# Altium PCB LimeSDR-Micro_M.2_2280_1v0.PcbDoc (part 4 of 7) (continued)
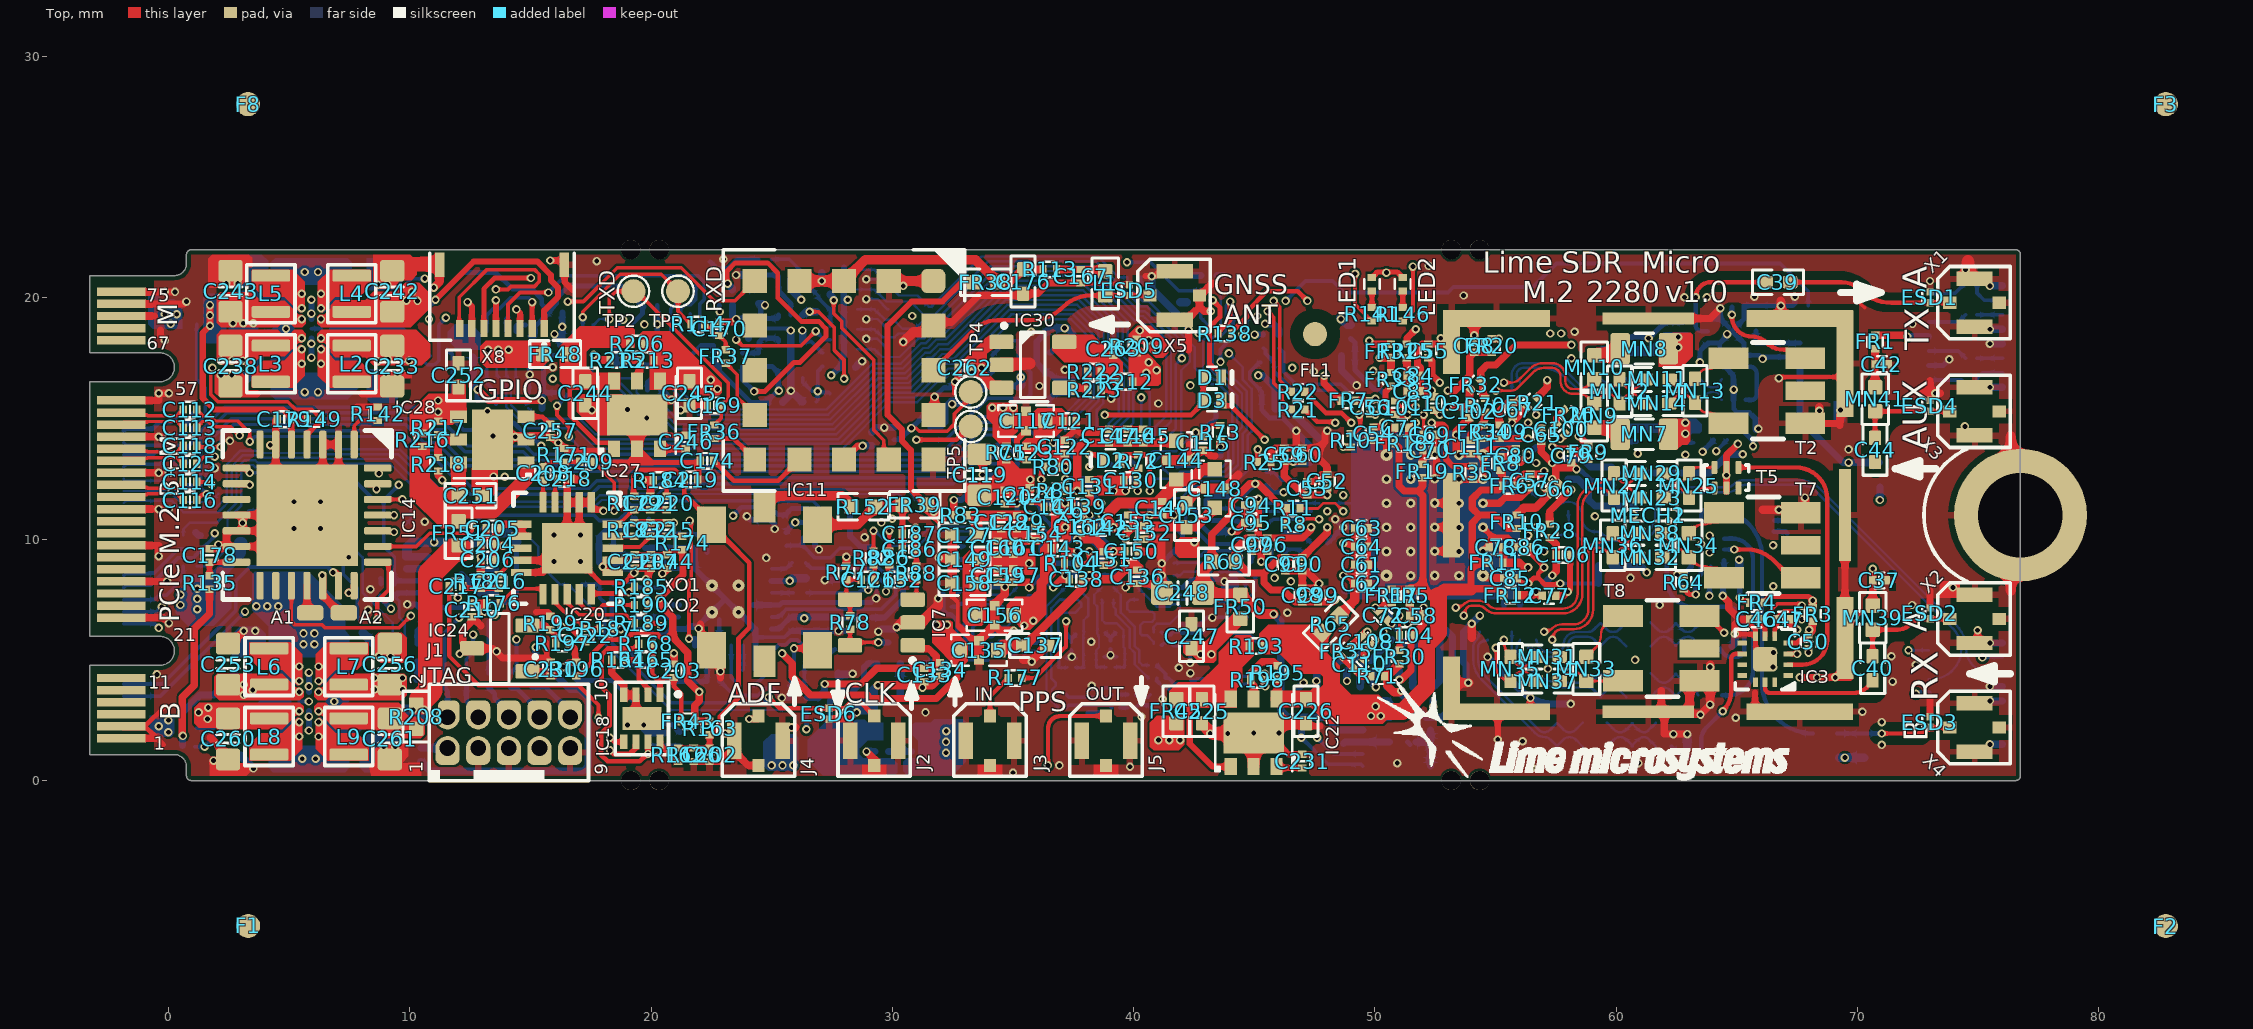
[diagram p0: Top view]
## Nets (pads, with @x,y where several pads share a name; then routed paths per layer and width w, separated by ;. In a path a pad name is that pad's centre, name@x,y a point inside that pad or via, vN(x,y) a via of type N, cw(c..) or ccw(c..) an arc to the next point about the centre after c; other vN are vias at no path point) (continued)
  Bottom w0.1: R28.1@33.541,6.9 33.573,6.9 33.598,6.925 33.598,6.958 33.741,7.1 34.32,7.1 34.391,7.029 34.391,6.837 34.216,6.662 34.216,6.475 34.316,6.375 34.756,6.375 34.931,6.55 35.116,6.55 35.316,6.75 35.316,6.866 35.473,7.023 35.664,7.023 35.783,7.142 35.783,7.333 35.946,7.496 36.163,7.496 IC6.A4@36.167,7.5
LA_RX0_I_P: IC6.B4 R34.1 | length 4.4
  Bottom w0.1: R34.1@32.991,6.9 33.14,6.9 33.54,7.3 34.491,7.3 34.591,7.2 34.591,6.858 34.699,6.75 34.917,6.75 35.467,7.3 35.467,7.501 35.641,7.675 35.842,7.675 IC6.B4@36.167,8
LA_RX0_Q_N: IC6.B6 R37.1 | length 5.5
  Bottom w0.1: R37.1@36.876,3.015 36.391,3.5 36.391,7.224 IC6.B6@37.167,8
LA_RX0_Q_P: IC6.A6 R42.1 | length 4.7
  Bottom w0.1: R42.1@36.876,3.565 36.676,3.565 36.616,3.625 36.616,3.775 36.766,3.925 36.766,4.06 36.591,4.235 36.591,7.141 36.946,7.496 37.163,7.496 IC6.A6@37.167,7.5
LA_RX1_I_N: IC6.B10 R44.1 | length 4
  Bottom w0.1: IC6.B10@39.167,8 39.466,7.701 39.466,7.625 39.467,7.624 39.467,7.376 39.466,7.375 39.466,6.958 40.041,6.383 40.041,5.583 40.241,5.383 40.241,4.903 40.359,4.785 R44.1@40.626,4.785
LA_RX1_I_P: IC6.A10 R49.1 | length 3.9
  Bottom w0.1: IC6.A10@39.167,7.5 39.167,7.199 39.266,7.1 39.266,6.875 39.841,6.3 39.841,5.5 40.041,5.3 40.041,4.82 R49.1@40.626,4.235
LA_RX1_Q_N: IC6.A12 R51.1 | length 4
  Bottom w0.1: IC6.A12@40.167,7.5 39.866,7.5 39.741,7.375 39.741,7.1 39.841,7 40.766,7 40.866,6.9 40.866,6.683 40.754,6.571 40.412,6.571 40.266,6.425 40.266,6.1 40.341,6.025 40.55,6.025 40.826,5.75 R51.1@40.826,5.675
LA_RX1_Q_P: IC6.B12 R58.1 | length 4
  Bottom w0.1: IC6.B12@40.167,8 40.467,7.7 ; 40.467,7.699 40.966,7.2 41.491,7.2 41.591,7.3 41.841,7.3 41.916,7.225 41.916,6.91 41.506,6.5 40.966,6.5 40.826,6.36 R58.1@40.826,6.15
LA_SPI_ADF_SS: IC12.12 R190.2 | length 55.3
  Top w0.25: v1(19.8,7.55) 19.8,7.523 19.855,7.468 19.855,7.3 R190.2@19.88,7.275
  L3 w0.1: v1@18.85,19.125 19,19.275 21.3,19.275 22.275,20.25 23.4,20.25 24.25,21.1 29.175,21.1 29.675,20.6 29.675,19.658 30.608,18.725 31.075,18.725 32.45,20.1 40.775,20.1 41.475,19.4 41.475,16.675 41.125,16.325 39.075,16.325 37.1,14.35 36.557,14.35 31.957,9.75 27.7,9.75 26.85,8.9 22.075,8.9 21.175,8 20.25,8 v1(19.8,7.55)
  Bottom w0.15: IC12.12@18,18.725 18.45,18.725 v1@18.85,19.125
  other v1: 18.85,19.1
LA_SPI_ADF_SS_LS: IC6.P11 IC12.1 R115.2 | length 30.6
  Bottom w0.1: IC12.1@17.975,16.775 18.08,16.67 R115.2@19.4,16.67 19.4,16.083 19.733,15.75 20.316,15.75 21.104,14.962 27.428,14.962 29.341,16.875 30.514,16.875 31.364,17.725 31.556,17.725 31.906,18.075 32.281,18.075 34.521,20.315 37.906,20.315 39.35,18.871 39.35,17.509 39.791,17.069 39.791,15.048 39.367,14.624 39.367,14.3 IC6.P11@39.667,14
LA_SPI_LMS_SS: IC12.9 R23.2 | length 34.4
  L6 w0.1: v2(16.85,18.025) 17.71,18.025 17.81,17.925 23.126,17.925 23.426,17.625 28.05,17.625 28.4,17.975 29.075,17.975 29.488,18.387 29.488,19.262 30.4,20.175 30.725,20.175 31.112,20.562 32.223,20.562 32.936,19.85 35.308,19.85 36.033,19.125 36.393,18.764 36.393,18.464 36.858,18 37.567,18 38.792,19.225 41.233,19.225 42.333,18.125 42.767,18.125 43.667,19.025 44.89,19.025 44.99,18.925 v1(45.45,18.925)
  Bottom w0.15: v2@16.775,18.154 IC12.9@16.775,18.6
  Bottom w0.3: v1(45.45,18.925) 45.775,18.925 46.016,18.684 R23.2@46.016,18.48
LA_SPI_LMS_SS_LS: IC6.P7 IC12.4 R116.2 | length 32.3
  Top w0.15: v1(16.105,15.53) 16.105,15.145 16.605,14.645 16.605,14.255 v1(16.6,14.25)
  Bottom w0.1: v1(16.6,14.25) 17.1,13.75 27.93,13.75 29.855,15.675 31.028,15.675 31.878,16.525 32.053,16.525 32.403,16.875 32.778,16.875 35.018,19.115 37.409,19.115 38.141,18.383 38.141,16.944 38.141,15.891 37.491,15.241 37.491,14.176 IC6.P7@37.667,14 ; R116.2@16.605,16.075 16.605,16.1 16.705,16.2 16.716,16.2 16.775,16.259 IC12.4@16.775,17.05
  Bottom w0.15: v1(16.105,15.53) 16.605,16.03 R116.2@16.605,16.075
LA_SPI_MISO: IC8.11 R22.2 | length 41.1
  Top w0.15: v1(45.8,19.875) 46.05,19.625 46.05,16.592 R22.2@46.536,16.107
  L6 w0.1: v2(14.075,19.2) 15.983,19.2 16.108,19.325 16.542,19.325 17.392,18.475 17.95,18.475 18.1,18.325 22.925,18.325 23.2,18.6 23.817,18.6 24.392,18.025 27.35,18.025 28.775,19.45 28.936,19.45 29.825,20.339 29.825,20.65 30.2,21.025 32.326,21.025 33.101,20.25 35.483,20.25 36.8,18.933 36.8,18.624 37.017,18.407 37.408,18.407 38.633,19.632 41.593,19.632 41.747,19.478 42.203,19.478 43.125,20.4 45.275,20.4 v1(45.8,19.875)
  Bottom w0.2: IC8.11@14,18.6 14,19.125 v2(14.075,19.2)
LA_SPI_MISO_LS: IC6.R8 IC8.2 | length 33.3
  Bottom w0.1: IC8.2@14,17.05 14,16.775 14.2,16.575 14.2,15.567 14.967,14.8 16.958,14.8 17.608,14.15 27.764,14.15 29.689,16.075 30.863,16.075 31.713,16.925 31.887,16.925 32.237,17.275 32.612,17.275 34.852,19.515 37.575,19.515 38.541,18.549 38.541,17.11 38.541,15.725 38.167,15.351 IC6.R8@38.167,14.5
LA_SPI_MOSI: IC8.12 R21.2 R189.2 | length 73.3
  Top w0.15: v1(45.55,19.45) 45.8,19.2 45.8,16.489 46.15,16.139 46.15,15.761 R21.2@46.536,15.375
  Top w0.2: R189.2@19.88,6.525 20.3,6.525 v1(20.425,6.4)
  L4 w0.1: v1(42.35,16.375) 42.7,16.725 v1(42.7,18.525)
  L6 w0.1: v2(14.8,18.875) 15.94,18.875 16.19,19.125 16.46,19.125 17.31,18.275 17.867,18.275 18.017,18.125 23.209,18.125 23.509,17.825 27.9,17.825 28.75,18.675 29.075,18.675 29.275,18.875 29.275,19.506 30.025,20.256 30.025,20.567 30.283,20.825 32.244,20.825 33.019,20.05 35.4,20.05 36.6,18.85 36.6,18.541 36.934,18.207 37.491,18.207 38.716,19.432 41.511,19.432 41.817,19.125 42.475,19.125 42.7,18.9 ; v1(20.425,6.4) 20.7,6.4 21.9,7.6 21.9,8.15 22.4,8.65 24.725,8.65 25.175,9.1 27.025,9.1 27.525,9.6 29.95,9.6 30.55,10.2 30.55,10.975 30.2,11.325 30.2,12.575 33.95,16.325 35.615,16.325 35.965,16.675 36.367,16.675 36.742,16.3 37.516,16.3 37.691,16.475 39.25,16.475 40.175,15.55 40.451,15.55 40.989,16.088 42.063,16.088 v1(42.35,16.375) ; v1(42.7,18.525) 42.7,18.9 ; v1(45.55,19.45) 45.375,19.625 45,19.625 44.6,19.225 43.5,19.225 43.175,18.9 42.7,18.9
  Bottom w0.2: IC8.12@14.4,18.6 14.4,18.825 14.45,18.875 v2(14.8,18.875)
LA_SPI_MOSI_LS: IC6.R9 IC8.1 R123.2 R132.1 | length 33.2
  Bottom w0.1: IC8.1@14.4,17.1 14.4,16.033 R123.2@14.85,15.583 ; R123.2@14.92,15.425 15.345,15 17.041,15 17.691,14.35 27.681,14.35 29.606,16.275 30.78,16.275 31.63,17.125 31.804,17.125 32.154,17.475 32.529,17.475 34.769,19.715 37.658,19.715 38.75,18.623 38.75,17.2 39.066,16.884 R132.1@39.066,16.605 39.041,16.605 38.941,16.505 38.941,16.48 38.741,16.28 38.741,15.625 38.475,15.359 38.475,14.692 IC6.R9@38.667,14.5
LA_SPI_SCLK: IC8.10 R20.2 R187.2 | length 62.3
  Top w0.3: R187.2@18.45,6.3 R187.2@18.45,6.325 ; R187.2@18.5,6.275 v1@18.736,6.275
  L6 w0.1: v2(13.6,19.2) 13.925,18.875 14.34,18.875 15.075,18.14 15.075,17.41 13.89,16.225 13.408,16.225 12.7,15.517 12.7,14.74 10.635,12.675 9.425,12.675 9.15,12.4 9.15,11.267 8.975,11.092 8.975,9.715 9.19,9.5 9.89,9.5 11.675,7.715 11.675,6.6 11.85,6.425 12.792,6.425 12.867,6.35 13.825,6.35 14.175,6.7 16.475,6.7 16.9,6.275 v1(18.75,6.275) ; 15.075,18.15 16.265,18.15 17.09,17.325 17.859,17.325 18.259,17.725 23.044,17.725 23.344,17.425 28.287,17.425 28.637,17.775 29.158,17.775 29.687,18.305 29.687,19.18 30.483,19.975 30.808,19.975 31.195,20.362 32.14,20.362 32.853,19.65 35.225,19.65 36.193,18.682 36.193,18.382 36.775,17.8 37.65,17.8 38.875,19.025 41.15,19.025 42.25,17.925 42.85,17.925 43.75,18.825 44.667,18.825 v1(45.012,18.48) ; v1@45.064,18.528 v1@45.112,18.48
  Bottom w0.2: IC8.10@13.6,18.6 v2(13.6,19.2)
  Bottom w0.25: v1(45.012,18.48) R20.2@45.366,18.48
LA_SPI_SCLK_LS: IC6.P8 IC8.3 | length 34.2
  Bottom w0.1: IC8.3@13.6,17.05 13.6,16.8 14,16.4 14,15.485 14.885,14.6 16.875,14.6 17.525,13.95 27.847,13.95 29.772,15.875 30.946,15.875 31.796,16.725 31.97,16.725 32.32,17.075 32.695,17.075 34.935,19.315 37.492,19.315 38.341,18.466 38.341,17.027 38.341,15.808 37.691,15.158 37.691,14.476 IC6.P8@38.167,14
LA_TCK: IC6.N10 R89.2 R92.1 | length 49.1
  L6 w0.1: v2(12.12,15.43) 12.12,15.112 11.483,14.475 10.942,14.475 8.95,12.483 8.95,11.35 8.775,11.175 8.775,9.633 9.108,9.3 9.783,9.3 11.475,7.608 11.475,6.517 11.942,6.05 v1(12.625,6.05) 13.9,6.05 14.15,6.3 15.775,6.3 16.025,6.05 18.425,6.05 18.8,5.675 20.86,5.675 21.86,6.675 22.259,6.675 22.534,6.4 26.6,6.4 28.675,8.475 33.017,8.475 33.675,9.133 33.675,12.133 34.4,12.858 34.4,13.425 34.6,13.625 34.6,13.875 35.021,14.296 35.539,14.296 35.767,14.525 36.884,14.525 37.384,14.025 38.642,14.025 v2(39.167,13.5)
  Bottom w0.15: R92.1@12.35,4.43 12.35,5.025 12.625,5.3 v1(12.625,6.05)
  Bottom w0.2: v2(12.12,15.43) 12.12,15.65 R89.2@12.27,15.8
LA_TDI: IC6.M10 R94.1 | length 33.5
  L6 w0.1: v1(14.425,5.85) 14.675,6.1 15.692,6.1 15.942,5.85 18.342,5.85 18.717,5.475 20.192,5.475 20.717,4.95 21.2,4.95 22.45,6.2 26.683,6.2 28.758,8.275 33.1,8.275 33.875,9.05 33.875,12.05 34.6,12.775 34.6,13.325 34.842,13.567 34.842,13.817 35.121,14.096 35.621,14.096 35.85,14.325 36.801,14.325 37.301,13.825 38.342,13.825 v2(38.667,13.5)
  Bottom w0.15: R94.1@14.15,4.43 14.425,4.705 v1(14.425,5.85) ; v2(38.667,13.5) IC6.M10@39.167,13
LA_TDO: IC6.N12 R93.1 | length 36.7
  L6 w0.1: v1(13.525,6.875) 13.8,7.15 16.591,7.15 16.941,6.8 19.083,6.8 19.808,6.075 20.675,6.075 22.175,7.575 24.042,7.575 25.342,8.875 32.851,8.875 33.275,9.299 33.275,10.683 33.125,10.833 33.125,13.525 34.3,14.7 35.341,14.7 35.566,14.925 37.05,14.925 37.55,14.425 39.242,14.425 v2(40.167,13.5)
  Bottom w0.15: R93.1@13.25,4.43 13.25,6.6 v1(13.525,6.875)
LA_TMS: IC6.M12 R91.1 | length 38.4
  L6 w0.1: v1(12.05,6.75) 12.75,6.75 12.95,6.55 13.742,6.55 14.102,6.91 16.548,6.91 16.858,6.6 19,6.6 19.725,5.875 20.758,5.875 22.258,7.375 24.125,7.375 25.425,8.675 32.934,8.675 33.475,9.216 33.475,10.766 33.325,10.916 33.325,13.442 34.383,14.5 35.424,14.5 35.649,14.725 36.967,14.725 37.467,14.225 38.901,14.225 39.626,13.5 v2(39.667,13.5)
  Bottom w0.15: R91.1@11.45,4.43 11.45,6.15 v1(12.05,6.75) ; v2(39.667,13.5) IC6.M12@40.167,13
LA_TRST: C115.1 D2.C IC6.N8 R73.2 | length 6.6
  Top w0.2: v1(38.167,13.5) 38.575,13.5 38.675,13.4 D2.C@38.675,13.275 ; v1(42.575,14.425) 42.975,14.425 43.265,14.715 R73.2@43.596,14.715
  L4 w0.15: v1(38.167,13.5) 41.65,13.5 v1(42.575,14.425)
LA_TRX0: IC8.9 X8.2 | length 4.1
  Top w0.2: X8.2@15.075,18.725 15.075,19.775 v1@15.125,19.825
  Bottom w0.15: IC8.9@13.2,18.6 13.2,19.295 13.455,19.55 13.72,19.55 14.17,20 14.95,20 v1@15.125,19.825
  other v1: 15.075,19.825
LA_TX_I_N: C2.1 C3.1 IC6.B7 R4.1 R5.2 | length 4
  Bottom w0.1: C2.1@37.581,4.7 37.606,4.675 R5.2@37.941,4.675 ; IC6.B7@37.667,8 38.116,7.551 38.116,6.825 37.931,6.64 R4.1@37.931,6.05 37.916,6.035 37.916,4.7 R5.2@37.941,4.675 ; R5.2@37.956,4.675 R5.2@37.941,4.675
LA_TX_I_P: C1.2 C2.2 IC6.A7 R1.2 R2.1 | length 4
  Bottom w0.1: C2.2@37.251,4.7 37.226,4.675 R1.2@36.876,4.675 36.901,4.7 R2.1@36.901,6.05 36.875,6.076 36.875,6.775 37.05,6.95 37.575,6.95 37.825,7.2 37.825,7.342 IC6.A7@37.667,7.5
LA_TX_Q_N: C5.1 C6.1 IC6.B9 R18.1 R19.2 | length 4
  Bottom w0.1: IC6.B9@38.667,8 38.367,7.7 38.367,7.349 38.501,7.215 R18.1@38.501,6.125 38.501,6.075 38.526,6.05 38.526,5.985 38.566,5.945 38.566,5.525 38.451,5.41 C6.1@38.451,5.125 38.451,4.7 38.476,4.675 R19.2@38.501,4.675 38.526,4.7 C5.1@38.876,4.7
LA_TX_Q_P: C4.2 C5.2 IC6.A9 R14.2 R16.1 | length 3.9
  Bottom w0.1: IC6.A9@38.667,7.5 38.701,7.466 38.701,6.64 38.816,6.525 39.291,6.525 39.581,6.235 R16.1@39.581,6.125 39.581,5.535 39.631,5.485 C4.2@39.631,5.125 39.631,4.7 39.606,4.675 R14.2@39.581,4.675 39.556,4.7 C5.2@39.206,4.7
LMK_CLKOUT1: IC15.5 R158.2 | length 3
  Bottom w0.15: R158.2@18.43,8.125 18.53,8.225 19.275,8.225 19.5,8 20.577,8 20.852,8.275 IC15.5@21.15,8.275
LMK_CLKOUT4: IC15.17 IC17.3 R159.1 | length 11.9
  Bottom w0.15: IC15.17@25,6.775 25.298,6.775 25.499,6.976 25.499,6.999 25.605,7.105 29.555,7.105 30.15,7.7 30.15,8.1 28.95,9.3 28.6,9.3 28.275,9.625 27.825,9.625 27.425,9.225 26.8,9.225 26.287,9.738 ; R159.1@25.6,9.72 25.618,9.738 26.287,9.738 ; IC17.3@26.287,10.075 26.287,9.738
LMS_BB_DRV1A_N: C8.1 R27.2 | length 0.3
  Bottom w0.15: R27.2@34.821,5.8 C8.1@35.141,5.8
LMS_BB_DRV1A_P: C12.1 R33.2 | length 0.3
  Bottom w0.15: R33.2@34.821,5.25 C12.1@35.141,5.25
LMS_BB_DRV1AC_N: C9.1 C10.1 R27.1 R28.2 R29.1 | length 2.1
  Bottom w0.15: R28.2@33.541,6.57 33.331,6.36 C10.1@33.331,6.15 33.331,5.83 33.501,5.66 R29.1@33.666,5.66 34.351,5.66 34.458,5.768 34.491,5.768 R27.1@34.491,5.8
LMS_BB_DRV1AC_P: C10.2 C11.2 R32.2 R33.1 R34.2 | length 2.6
  Bottom w0.15: R34.2@33.001,6.57 C10.2@33.001,6.15 33.001,5.89 33.081,5.81 33.081,5.632 33.126,5.587 C11.2@33.126,5.555 33.126,5.522 33.158,5.522 33.341,5.34 R32.2@33.491,5.34 33.901,5.34 33.991,5.25 R33.1@34.491,5.25
LMS_BB_DRV1B_N: C13.1 R36.2 | length 0.3
  Bottom w0.15: R36.2@39.431,3.015 C13.1@39.751,3.015
LMS_BB_DRV1B_P: C17.1 R41.2 | length 0.3
  Bottom w0.15: R41.2@39.431,3.565 C17.1@39.751,3.565
LMS_BB_DRV1BC_N: C14.1 C15.1 R36.1 R37.2 R38.1 | length 2
  Bottom w0.15: R37.2@37.206,3.015 37.316,3.125 37.966,3.125 C14.1@38.141,3.125 R38.1@38.666,3.125 38.991,3.125 39.068,3.047 39.101,3.047 R36.1@39.101,3.015
LMS_BB_DRV1BC_P: C15.2 C16.2 R40.2 R41.1 R42.2 | length 2
  Bottom w0.15: R42.2@37.206,3.565 37.316,3.455 C15.2@37.566,3.455 C16.2@38.141,3.455 R40.2@38.691,3.455 38.991,3.455 39.068,3.532 39.101,3.532 R41.1@39.101,3.565
LMS_BB_DRV2A_N: C18.1 R43.2 | length 0.4
  Bottom w0.15: R43.2@43.256,3.935 43.431,4.11 C18.1@43.576,4.11
LMS_BB_DRV2A_P: C22.1 R48.2 | length 0.4
  Bottom w0.15: R48.2@43.256,3.385 43.431,3.56 C22.1@43.576,3.56
LMS_BB_DRV2AC_N: C19.1 C20.1 R43.1 R44.2 R45.1 | length 2.6
  Bottom w0.15: R44.2@40.956,4.785 40.956,4.753 40.988,4.753 41.32,4.42 41.32,4.24 C20.1@41.341,4.24 41.451,4.24 41.691,4 R45.1@41.791,4 41.991,4 42.166,3.825 C19.1@42.366,3.825 42.816,3.825 42.893,3.902 42.926,3.902 R43.1@42.926,3.935
LMS_BB_DRV2AC_P: C20.2 C21.2 R47.2 R48.1 R49.2 | length 2.4
  Bottom w0.15: R49.2@40.956,4.235 40.956,4.139 41.184,3.91 C20.2@41.341,3.91 41.581,3.67 R47.2@41.791,3.67 41.946,3.67 42.121,3.495 C21.2@42.366,3.495 42.816,3.495 42.893,3.417 42.926,3.417 R48.1@42.926,3.385
LMS_BB_DRV2B_N: C23.1 R50.2 | length 0.3
  Bottom w0.15: R50.2@43.281,5.675 C23.1@43.601,5.675
LMS_BB_DRV2B_P: C27.1 R57.2 | length 0.3
  Bottom w0.15: R57.2@43.281,6.225 C27.1@43.601,6.225
LMS_BB_DRV2BC_N: C24.1 C25.1 R50.1 R51.2 R52.1 | length 2
  Bottom w0.15: R51.2@41.156,5.6 41.266,5.71 C25.1@41.516,5.71 41.636,5.59 R52.1@41.891,5.59 41.923,5.59 42.118,5.785 C24.1@42.403,5.785 42.841,5.785 42.918,5.707 42.951,5.707 R50.1@42.951,5.675
LMS_BB_DRV2BC_P: C25.2 C26.2 R56.2 R57.1 R58.2 | length 2
  Bottom w0.15: R58.2@41.156,6.15 41.266,6.04 C25.2@41.516,6.04 41.548,6.04 41.548,6.072 41.636,6.16 R56.2@41.891,6.16 41.923,6.16 41.968,6.115 C26.2@42.403,6.115 42.841,6.115 42.918,6.192 42.951,6.192 R57.1@42.951,6.225
LMS_CORE_LDO_EN: IC1.U33 R13.1 R15.2 | length 3.9
  Bottom w0.15: R15.2@43.491,11.275 44.361,11.275 44.366,11.27 44.474,11.162 46.859,11.162 46.876,11.179 47.337,11.179 IC1.U33@47.354,11.162
LMS_I2C_SCL: IC1.C27 IC2.6 R26.2 R54.1 | length 62.6
  L4 w0.1: v1(45.841,8.4) 45.849,8.4 46.024,8.575 46.65,8.575 47.025,8.2 47.025,4.6 46.72,4.295 46.72,2.655 v1(47.6,1.775)
  L6 w0.1: v2(8.825,8.15) 8.825,7.065 12.14,3.75 17.005,3.75 17.73,3.025 20.767,3.025 21.042,2.75 23.815,2.75 23.94,2.875 24.342,2.875 24.542,2.675 27.75,2.675 28.125,2.3 31.658,2.3 31.883,2.525 32.592,2.525 34.117,1 46.635,1 47.375,1.74 47.565,1.74 v1(47.6,1.775) ; v1(45.841,8.4) 45.841,10.325 47.191,11.675 47.191,12.15 48.016,12.975 48.016,13.875 48.678,14.537 48.678,15.15 v2(49.352,15.824)
  Bottom w0.15: v1(47.6,1.775) 48.275,1.1 IC2.6@49.5,1.1
  Bottom w0.2: R26.2@8.795,8.375 8.81,8.36 8.81,8.165 v2(8.825,8.15)
LMS_I2C_SDA: IC1.D26 IC2.5 R30.2 R53.1 | length 60.1
  L4 w0.1: v1(46.516,8.25) 46.825,7.941 46.825,4.683 46.52,4.378 46.52,2.215 v1(46.955,1.78)
  L6 w0.1: v1@9.275,7.075 12.4,3.95 17.088,3.95 17.813,3.225 20.85,3.225 21.125,2.95 23.733,2.95 23.858,3.075 24.425,3.075 24.625,2.875 27.833,2.875 28.208,2.5 31.575,2.5 31.825,2.75 32.65,2.75 34.2,1.2 46.375,1.2 v1(46.955,1.78) ; v1(46.516,8.25) 46.516,10.317 47.691,11.492 47.691,11.958 49.685,13.953 v2(49.685,15.491)
  Bottom w0.15: v1(46.955,1.78) 48.06,0.675 49.425,0.675 IC2.5@49.5,0.6
  Bottom w0.2: R30.2@8.795,7.65 8.795,7.555 v1(9.225,7.125)
  Bottom w0.3: v1(46.955,1.78) R53.1@46.955,2.065
LMS_MCLK1: IC1.AB34 R7.1 R84.1 | length 1.5
  Bottom w0.15: R7.1@46.166,9.74 46.166,9.691 46.28,9.577 ; R84.1@46.28,9.025 46.28,9.577 ; IC1.AB34@47.021,9.497 46.967,9.497 46.887,9.577 46.28,9.577
LMS_RESET: IC1.E27 IC14.17 R10.1 | length 55.9
  Top w0.15: IC14.17@5.1,8.075 5.1,6.6 5.25,6.45 6.375,6.45 6.5,6.325 9.55,6.325 v1(10.05,6.825)
  Top w0.2: R10.1@48.991,14.38 49.041,14.43 49.171,14.43 49.394,14.653 v1@49.394,15.01
  L6 w0.1: v1(10.05,6.825) 10.05,6.6 12.5,4.15 17.171,4.15 17.896,3.425 20.933,3.425 21.208,3.15 23.65,3.15 23.8,3.3 24.525,3.3 24.75,3.075 28.25,3.075 28.425,3.25 34.8,3.25 35.4,3.85 36.116,3.85 36.991,4.725 39.025,4.725 39.838,5.537 40.478,5.537 41.841,6.9 42.391,6.9 42.541,7.05 ; 42.541,7.05 42.965,7.475 43.116,7.625 43.866,7.625 44.191,7.95 44.841,7.95 44.966,8.075 45.975,8.075 46.191,8.29 46.191,10.275 47.491,11.575 47.491,12.041 49.352,13.903 v1(49.352,15.158)
LMS_RX1_BB_I_N: C8.2 IC1.AB2 R31.1 | length 43
  L4 w0.1: v1(57.716,18.525) 57.716,17.383 58.091,17.008 58.091,15.085 58.766,14.41 58.766,13.839 57.966,13.039 57.966,12.366 57.816,12.216 57.816,11.884 58.75,10.95 v1(59.116,10.95)
  L6 w0.1: v2(36.066,5.75) 36.304,5.75 36.779,6.225 37.3,6.225 37.575,6.5 39.5,6.5 40.55,7.55 41.325,7.55 43.275,9.5 43.275,12.4 44.475,13.6 44.475,14.25 46.925,16.7 46.925,17.225 47.175,17.475 47.416,17.475 48.486,18.545 ; 48.486,18.546 49.29,19.35 50.48,19.35 51.85,17.98 54.105,17.98 54.466,18.34 54.466,18.575 54.741,18.85 57.416,18.85 v1@57.716,18.55 ; v2(57.677,9.497) 58.28,10.1 58.716,10.1 59.116,10.5 v1(59.116,10.95)
  Bottom w0.15: C8.2@35.471,5.8 35.471,5.768 35.503,5.768 35.581,5.69 R31.1@35.856,5.69 36.006,5.69 v2(36.066,5.75) v2@36.046,5.75
LMS_RX1_BB_I_P: C12.2 IC1.Y6 R31.2 | length 43
  L4 w0.1: v1(56.345,10.163) 56.353,10.171 57.012,10.171 57.191,10.35 57.191,10.6 56.691,11.1 56.691,11.374 57.741,12.424 57.741,13.097 58.066,13.422 58.066,14.799 57.891,14.974 57.891,16.925 56.916,17.9 56.916,18.175 v1(57.266,18.525)
  L6 w0.1: v2(36.066,5.275) 36.112,5.275 36.862,6.025 37.383,6.025 37.658,6.3 39.583,6.3 40.633,7.35 41.408,7.35 43.475,9.417 43.475,12.317 44.675,13.517 44.675,14.167 47.125,16.617 47.125,17.142 47.258,17.275 47.499,17.275 48.686,18.462 ; 48.686,18.463 49.373,19.15 50.397,19.15 51.767,17.78 54.371,17.78 54.666,18.075 54.666,18.492 54.824,18.65 55.403,18.65 55.603,18.45 55.603,18.013 55.716,17.9 56.216,17.9 56.361,18.046 56.361,18.45 56.561,18.65 57.141,18.65 v1(57.266,18.525)
  Bottom w0.15: C12.2@35.471,5.25 35.471,5.283 35.503,5.283 35.581,5.36 R31.2@35.856,5.36 35.981,5.36 v2(36.066,5.275) 36.012,5.275 v2@35.972,5.235
LMS_RX1_BB_Q_N: C13.2 IC1.AA5 R39.1 | length 43.9
  L6 w0.1: v2(40.691,3.025) 40.541,3.175 39.016,3.175 38.786,2.945 38.535,2.945 38.39,2.8 38.177,2.8 38.032,2.945 37.781,2.945 37.026,3.7 36.766,3.7 36.216,3.15 35.791,3.15 35.571,2.93 35.571,2.06 35.701,1.93 35.931,1.93 36.786,2.785 37.246,2.785 38.201,1.83 38.427,1.83 38.572,1.975 38.735,1.975 38.88,1.83 39.106,1.83 39.433,2.157 40.633,2.157 40.776,2.3 41.4,2.3 41.675,2.575 42.816,2.575 42.961,2.72 42.961,3.565 42.856,3.67 42.346,3.67 42.066,3.95 41.366,3.95 41.011,4.305 41.011,4.635 42.251,5.875 43.476,5.875 44.14,6.539 46.439,6.539 46.97,7.07 47.746,7.07 48.166,6.65 48.433,6.65 48.691,6.908 48.691,7.983 49.288,8.58 49.531,8.58 50.056,9.105 50.731,9.105 50.861,9.235 50.861,9.612 50.616,9.857 50.616,10.123 50.867,10.375 51.093,10.375 51.338,10.13 51.651,10.13 52.096,9.685 52.096,9.313 52.329,9.08 52.588,9.08 52.911,9.403 52.911,9.76 53.256,10.105 53.776,10.105 54.096,9.785 54.096,9.305 54.306,9.095 54.596,9.095 54.886,9.385 54.886,9.71 55.033,9.857 55.271,10.095 55.271,10.38 55.941,11.05 56.391,11.05 56.678,10.762 v1(56.678,10.496)
  Bottom w0.11: IC1.AA5@56.678,9.83 v1(56.678,10.496)
  Bottom w0.15: C13.2@40.081,3.015 40.081,3.047 40.113,3.047 40.191,3.125 R39.1@40.441,3.125 40.591,3.125 v2(40.691,3.025)
LMS_RX1_BB_Q_P: C17.2 IC1.AB4 R39.2 | length 43.9
  L6 w0.1: v2(40.691,3.555) 40.682,3.555 40.507,3.38 38.931,3.38 38.701,3.15 37.866,3.15 37.111,3.905 36.681,3.905 36.131,3.355 35.706,3.355 35.366,3.015 35.366,1.975 35.616,1.725 36.016,1.725 36.871,2.58 37.161,2.58 38.116,1.625 39.191,1.625 39.518,1.952 40.718,1.952 40.861,2.095 41.478,2.095 41.758,2.375 42.906,2.375 43.166,2.635 43.166,3.65 42.941,3.875 42.424,3.875 42.149,4.15 41.456,4.15 41.216,4.39 41.216,4.55 42.341,5.675 43.559,5.675 44.222,6.339 46.522,6.339 47.048,6.865 47.651,6.865 48.066,6.45 48.516,6.45 48.891,6.825 48.891,7.9 49.366,8.375 49.616,8.375 50.141,8.9 50.816,8.9 51.066,9.15 51.066,9.65 51.266,9.85 51.641,9.85 51.891,9.6 51.891,9.235 52.251,8.875 52.666,8.875 53.116,9.325 53.116,9.675 53.341,9.9 53.691,9.9 53.891,9.7 53.891,9.22 54.221,8.89 54.681,8.89 55.091,9.3 55.091,9.625 55.304,9.838 56.504,9.838 57.041,10.375 57.291,10.375 57.491,10.175 57.491,9.977 v1(57.011,9.497)
  Bottom w0.15: C17.2@40.081,3.565 40.081,3.532 40.113,3.532 40.191,3.455 R39.2@40.441,3.455 40.591,3.455 v2(40.691,3.555)
LMS_RX2_BB_I_N: C18.2 IC1.AC3 R46.1 | length 25.4
  L6 w0.1: v2(44.916,4.425) 44.766,4.275 44.183,4.275 43.916,4.008 43.916,3.25 44.591,2.575 45.041,2.575 46.966,4.5 51.158,4.5 51.616,4.042 51.616,2.825 52.066,2.375 53.266,2.375 56.266,5.375 56.266,6.392 57.124,7.25 58.166,7.25 58.516,7.6 58.516,8.45 58.002,8.963 58.002,8.966 57.812,9.156 57.81,9.156 57.802,9.164 v2(57.344,9.164)
  Bottom w0.15: C18.2@43.906,4.11 43.906,4.142 44.088,4.325 R46.1@44.416,4.325 44.816,4.325 v2(44.916,4.425)
LMS_RX2_BB_I_P: C22.2 IC1.AD2 R46.2 | length 25.4
  L6 w0.1: v2(44.916,3.895) 44.736,4.075 44.266,4.075 44.116,3.925 44.116,3.333 44.674,2.775 44.958,2.775 46.216,4.033 46.216,4.525 46.391,4.7 51.791,4.7 51.941,4.55 51.941,4.075 51.816,3.95 51.816,3.625 51.941,3.5 51.941,3.275 51.816,3.15 51.816,2.908 52.149,2.575 53.183,2.575 53.533,2.925 56.066,5.458 56.066,6.475 57.003,7.413 57.003,7.888 57.116,8 57.341,8 57.891,7.45 58.083,7.45 58.316,7.683 58.316,8.367 58.118,8.565 57.943,8.565 v2(57.677,8.831)
  Bottom w0.15: C22.2@43.906,3.56 43.906,3.592 43.913,3.592 44.316,3.995 R46.2@44.416,3.995 44.816,3.995 v2(44.916,3.895)
LMS_RX2_BB_Q_N: C23.2 IC1.AB6 R55.1 | length 25.2
  L6 w0.1: v2(44.591,5.76) 44.591,5.966 44.7,6.075 46.041,6.075 46.216,5.9 46.648,5.9 47.348,6.6 47.549,6.6 47.999,6.15 48.858,6.15 49.141,6.433 49.141,7.233 49.453,7.545 49.453,7.845 49.708,8.1 50.074,8.1 50.424,7.75 50.683,7.75 50.891,7.958 50.891,8.683 51.283,9.075 51.724,9.075 52.091,8.708 52.091,8.075 52.091,8.017 51.691,7.617 51.691,7 51.878,6.812 52.122,6.812 52.391,7.081 52.391,7.608 52.83,8.047 52.83,8.615 52.93,8.715 52.93,8.718 53.252,9.04 53.788,9.04 54.08,8.748 54.08,8.324 54.355,8.05 54.774,8.05 55.041,7.783 55.041,6.875 55.216,6.7 55.691,6.7 55.966,6.975 55.966,7.75 55.091,8.625 55.091,8.983 55.605,9.497 v2(56.345,9.497)
  Bottom w0.15: C23.2@43.931,5.675 44.041,5.785 R55.1@44.316,5.785 v2@44.591,5.785
LMS_RX2_BB_Q_P: C27.2 IC1.AC5 R55.2 | length 25.3
  L6 w0.1: v2(45.091,5.75) 45.366,5.75 45.491,5.875 45.958,5.875 46.133,5.7 46.731,5.7 47.306,6.275 47.591,6.275 47.916,5.95 48.941,5.95 49.341,6.35 49.341,7.15 49.653,7.462 49.653,7.762 49.791,7.9 49.991,7.9 50.341,7.55 50.766,7.55 51.091,7.875 51.091,8.6 51.366,8.875 51.641,8.875 51.891,8.625 51.891,8.1 51.491,7.7 51.491,6.917 51.795,6.612 52.205,6.612 52.591,6.998 52.591,7.525 53.041,7.975 53.041,8.542 53.13,8.632 53.13,8.635 53.335,8.84 53.625,8.84 53.88,8.585 53.88,8.241 54.272,7.85 54.691,7.85 54.841,7.7 54.841,6.792 55.133,6.5 55.774,6.5 56.166,6.892 56.166,7.833 55.291,8.708 55.291,8.9 55.555,9.164 v2(56.678,9.164)
  Bottom w0.15: C27.2@43.931,6.225 44.041,6.115 R55.2@44.316,6.115 44.731,6.115 45.091,5.755 v2(45.091,5.75)
LMS_RXEN: IC1.V34 R12.1 | length 1.5
  Bottom w0.15: R12.1@45.621,10.675 45.621,10.7 45.696,10.775 45.73,10.775 45.784,10.829 IC1.V34@47.021,10.829
LMS_RxPLL_CLK: C185.2 IC1.AM24 R155.2 | length 26.4
  L3 w0.1: v1(29,7.9) 29,7.45 ccw(c29.225,7.45) 29.225,7.225 40.723,7.225 ccw(c40.723,9.765) 42.519,7.969 43.206,8.656 cw(c45.002,6.86) 45.002,9.4 46.048,9.4 cw(c46.048,6.86) 47.844,8.656 48.4,8.1 50.32,6.18 ccw(c50.351,6.211) v1(50.351,6.167)
  Bottom w0.1: 27.845,7.775 27.85,7.77
  Bottom w0.15: R155.2@26.455,7.775 27.845,7.775 ; 27.85,7.77 C185.2@28.35,7.77 28.595,7.77 28.725,7.9 v1(29,7.9)
LMS_TX1_BB_I_N: IC1.R5 R5.1 | length 27.3
  L6 w0.1: v2(37.768,4.332) 37.768,3.91 38.079,3.6 38.433,3.6 38.788,3.955 39.758,3.955 42.078,6.275 43.31,6.275 43.979,6.944 44.152,6.944 44.333,7.125 44.864,7.125 45.214,7.475 47.533,7.475 48.091,8.033 48.091,8.65 48.546,9.105 49.213,9.105 49.816,9.708 49.816,10.9 50.041,11.125 51.966,11.125 52.116,10.975 52.116,10.308 52.324,10.1 52.633,10.1 52.891,10.358 52.891,10.925 53.066,11.1 53.891,11.1 54.03,10.96 54.03,10.443 54.349,10.125 54.633,10.125 54.866,10.358 54.866,11.1 55.919,12.153 v2(56.353,12.153)
  Bottom w0.2: v2(56.353,12.153) IC1.R5@56.678,11.828
LMS_TX1_BB_I_P: IC1.T4 R1.1 | length 27.3
  L6 w0.1: v2(37.063,4.332) 37.996,3.4 38.516,3.4 38.871,3.755 39.841,3.755 42.161,6.075 43.393,6.075 44.062,6.744 44.235,6.744 44.416,6.925 44.947,6.925 45.297,7.275 47.616,7.275 47.666,7.325 48.291,7.95 48.291,8.567 48.629,8.905 49.296,8.905 50.016,9.625 50.016,10.521 50.42,10.925 51.558,10.925 51.916,10.567 51.916,10.225 52.241,9.9 52.716,9.9 53.091,10.275 53.091,10.625 53.366,10.9 53.666,10.9 53.83,10.735 53.83,10.36 54.266,9.925 54.716,9.925 55.066,10.275 55.066,10.7 56.194,11.828 56.602,11.828 56.911,11.519 v2@56.988,11.519
  other v2: 57.011,11.495
LMS_TX1_BB_Q_N: IC1.P2 R19.1 | length 27.3
  L6 w0.1: v2(38.688,4.333) 38.695,4.34 38.941,4.34 39.259,4.658 39.433,4.658 40.075,5.3 40.537,5.3 41.937,6.7 42.474,6.7 42.741,6.967 43.048,7.275 ; 43.049,7.275 43.149,7.375 43.958,7.375 44.158,7.575 44.749,7.575 45.049,7.875 46.733,7.875 47.091,8.233 47.091,8.45 48.146,9.505 48.985,9.505 49.266,9.786 49.266,11.308 50.058,12.1 53.595,12.1 54.345,12.85 54.566,12.85 55.534,13.818 56.464,13.818 57.003,14.357 57.003,14.611 57.21,14.817 57.479,14.817 58.002,14.294 58.002,13.358 57.677,13.033 v2(57.677,12.161)
LMS_TX1_BB_Q_P: IC1.R3 R14.1 | length 27.3
  L6 w0.1: v2(39.393,4.333) 39.551,4.175 39.695,4.175 39.95,4.43 39.95,4.889 40.136,5.075 40.595,5.075 42.02,6.5 42.556,6.5 42.941,6.884 43.131,7.075 43.231,7.175 44.041,7.175 44.241,7.375 44.831,7.375 45.131,7.675 47.191,7.675 47.291,7.775 47.291,8.367 47.525,8.602 47.744,8.602 47.994,8.851 47.994,9.071 48.229,9.305 49.068,9.305 49.163,9.4 49.466,9.703 49.466,11.225 49.635,11.394 49.86,11.394 49.972,11.506 49.972,11.731 50.141,11.9 50.565,11.9 50.84,11.625 51.116,11.625 51.391,11.9 51.616,11.9 51.891,11.625 52.087,11.625 52.362,11.9 52.575,11.9 52.85,11.625 53.12,11.625 53.395,11.9 53.565,11.9 53.866,11.6 54.095,11.6 54.395,11.9 54.666,11.9 54.941,11.625 55.108,11.625 55.574,12.091 55.574,12.316 55.091,12.8 55.091,13.05 55.591,13.55 55.816,13.55 55.991,13.375 55.991,13.125 56.256,12.86 56.506,12.86 56.686,12.679 56.686,12.026 56.877,11.836 57.336,11.836 v2(57.344,11.828)